# Altium PCB EBS V3.0.PcbDoc (part 1 of 4)
Units mil, origin at the board's own origin, x right, y up, seen from the top; angles counter-clockwise.
Board outline 4974.69 x 4688.74 mil, 4 copper layers (Top Layer, Internal Plane 1, Internal Plane 2, Bottom Layer), stack 18.2 mil thick; 422 components, 308 nets, 1315 pads, 232 vias.
Unrouted connection lines stored in the file: 1.
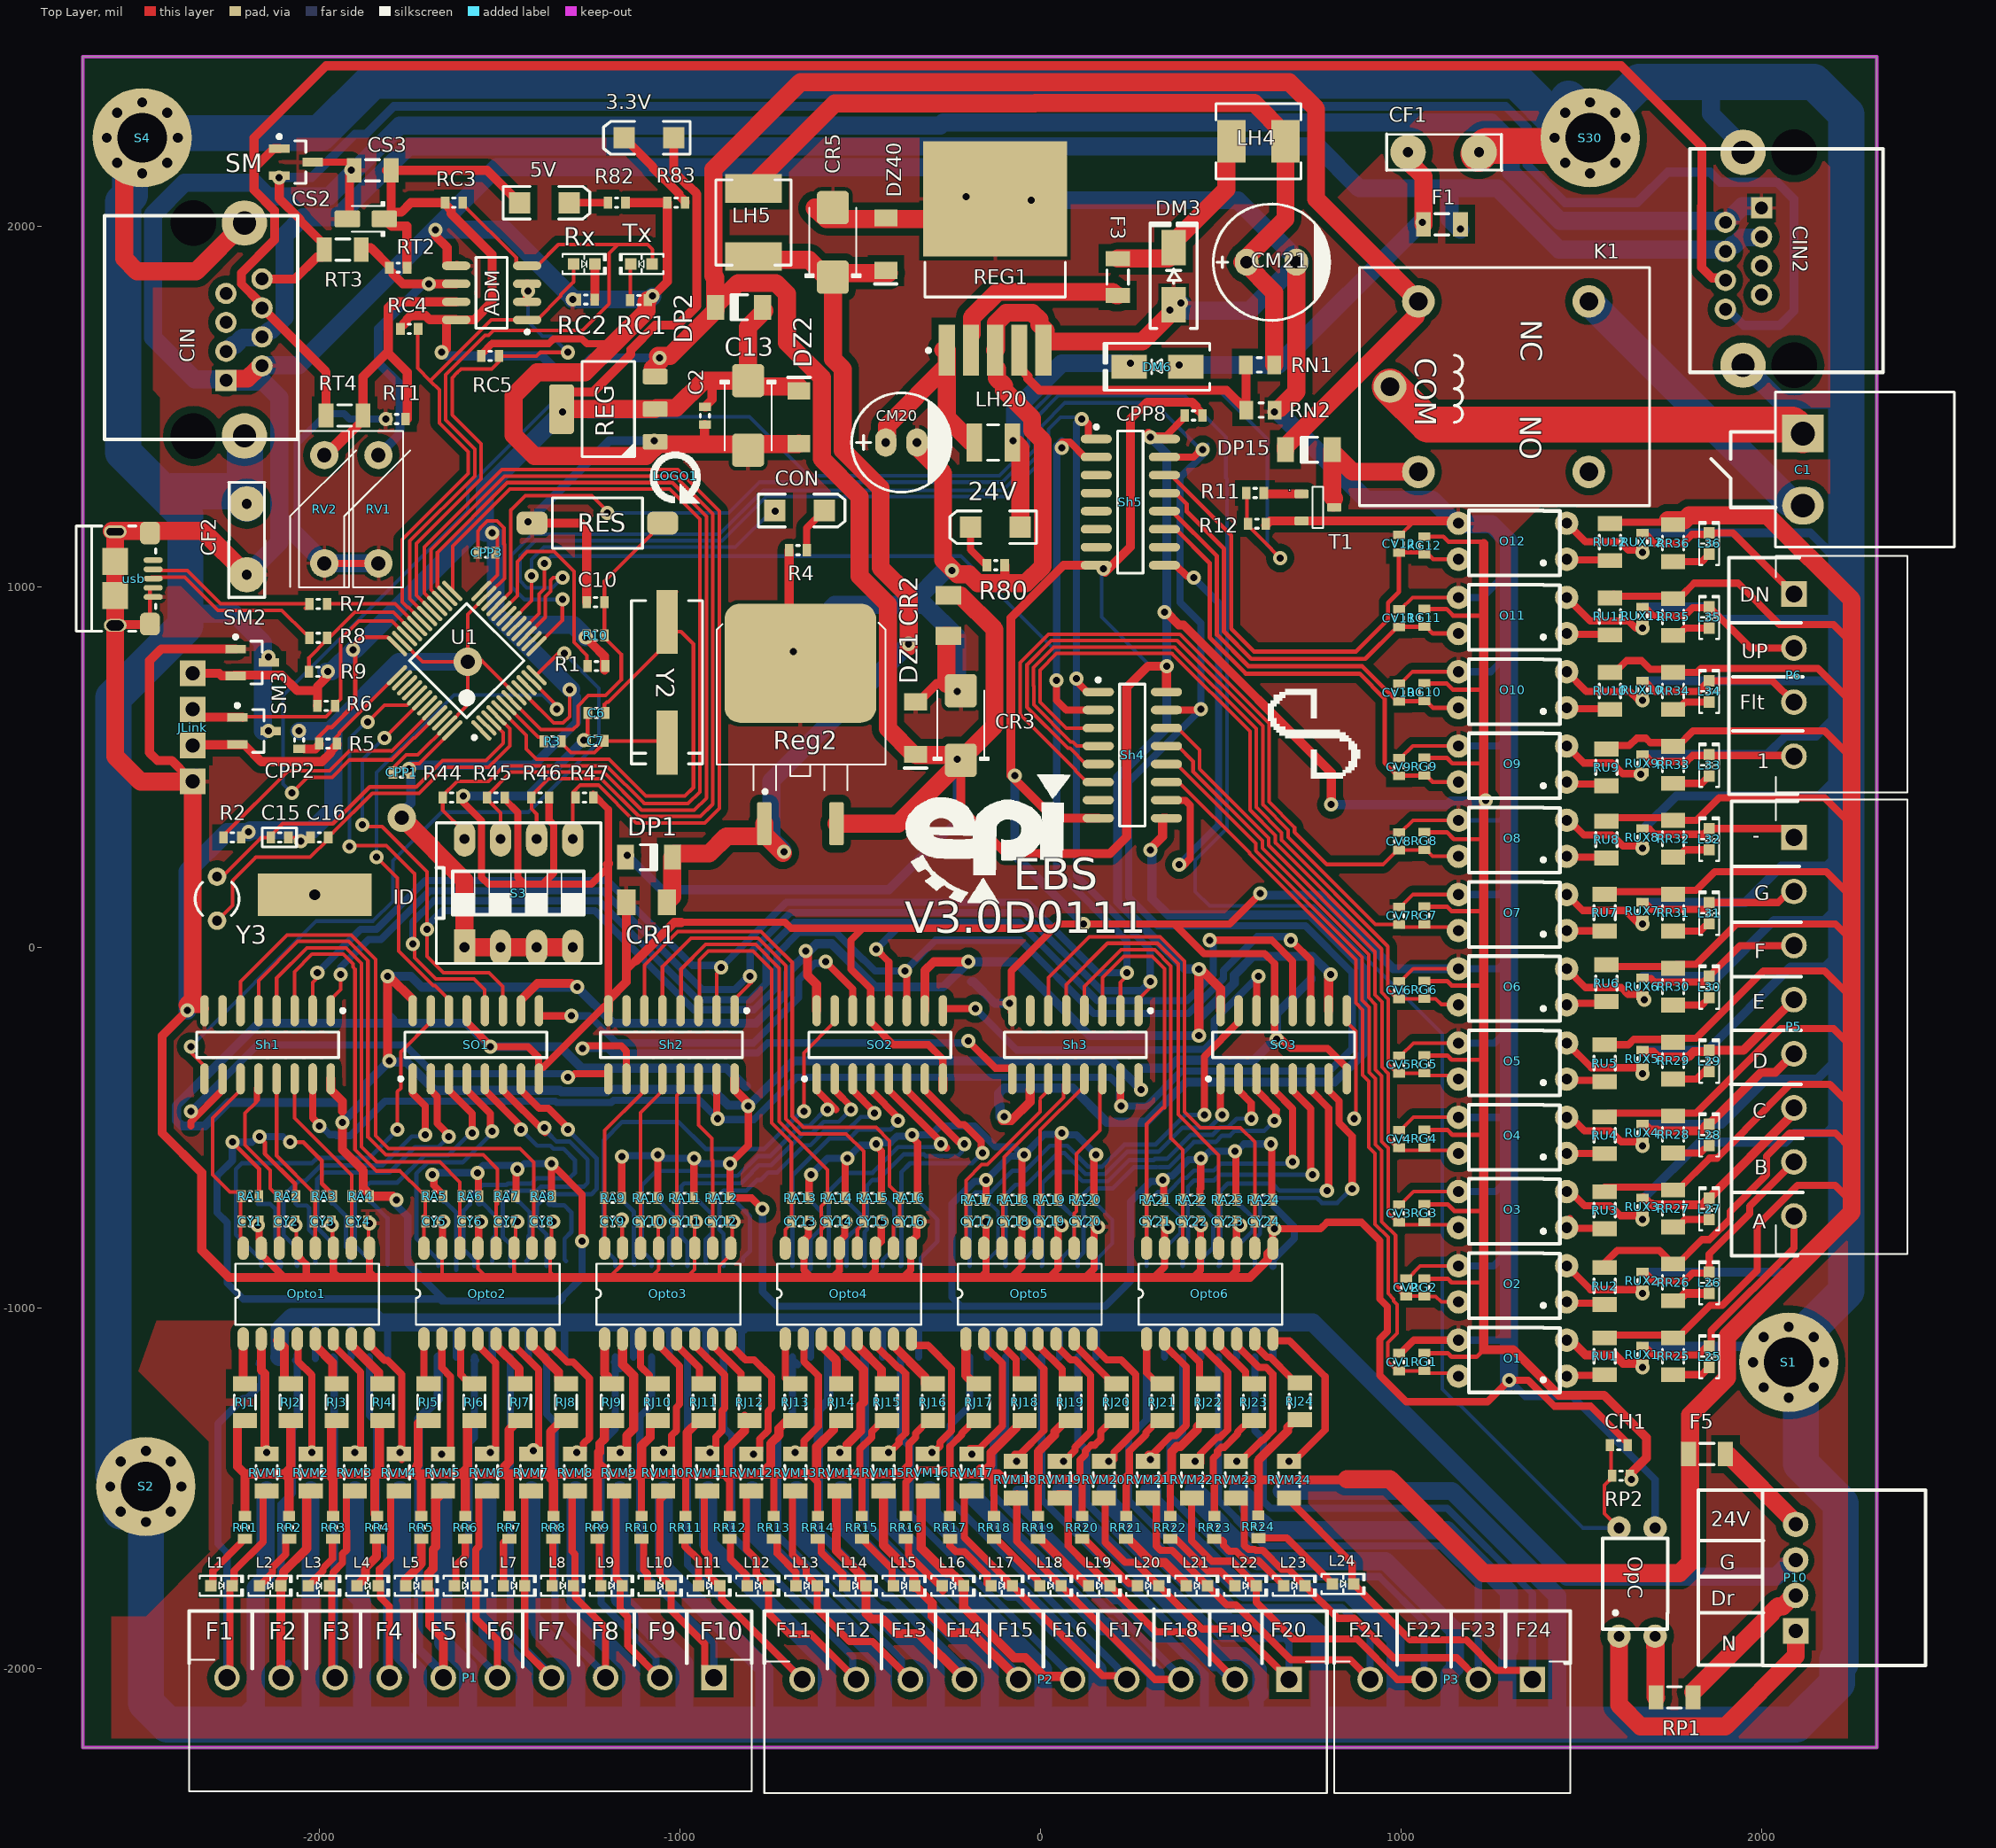
[diagram p0: Top Layer view]
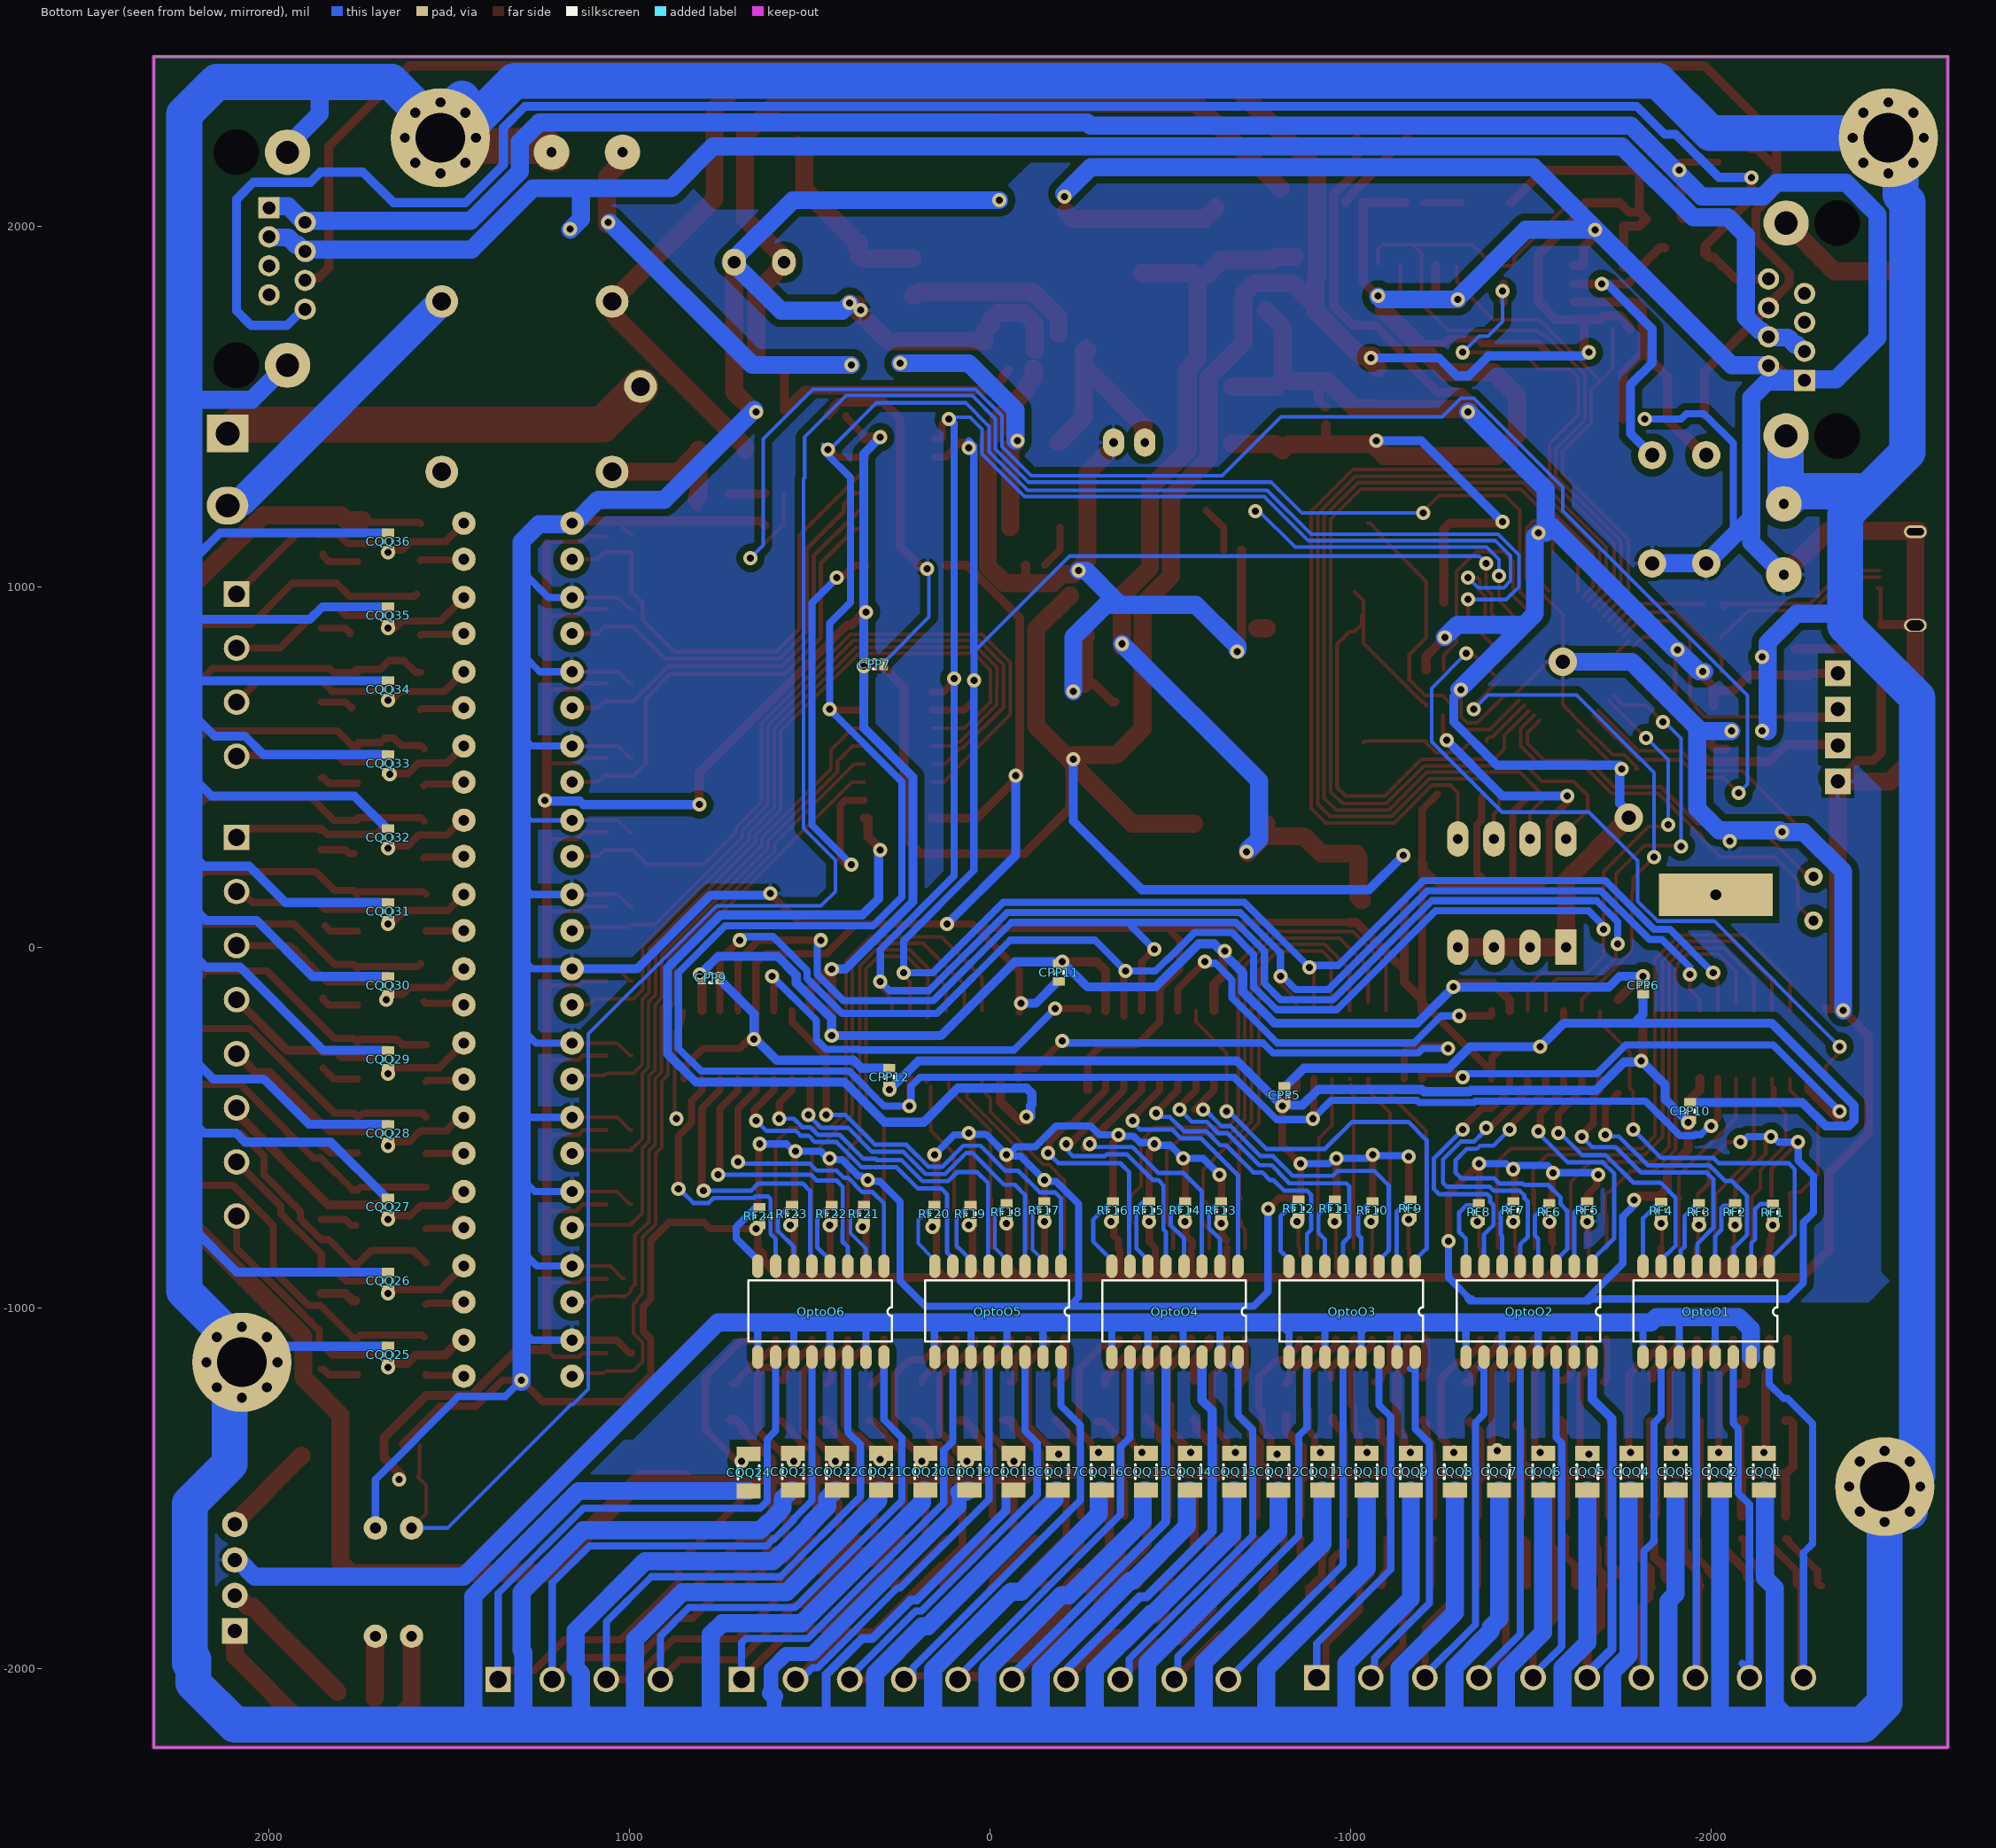
[diagram p1: Bottom Layer view, seen from below]
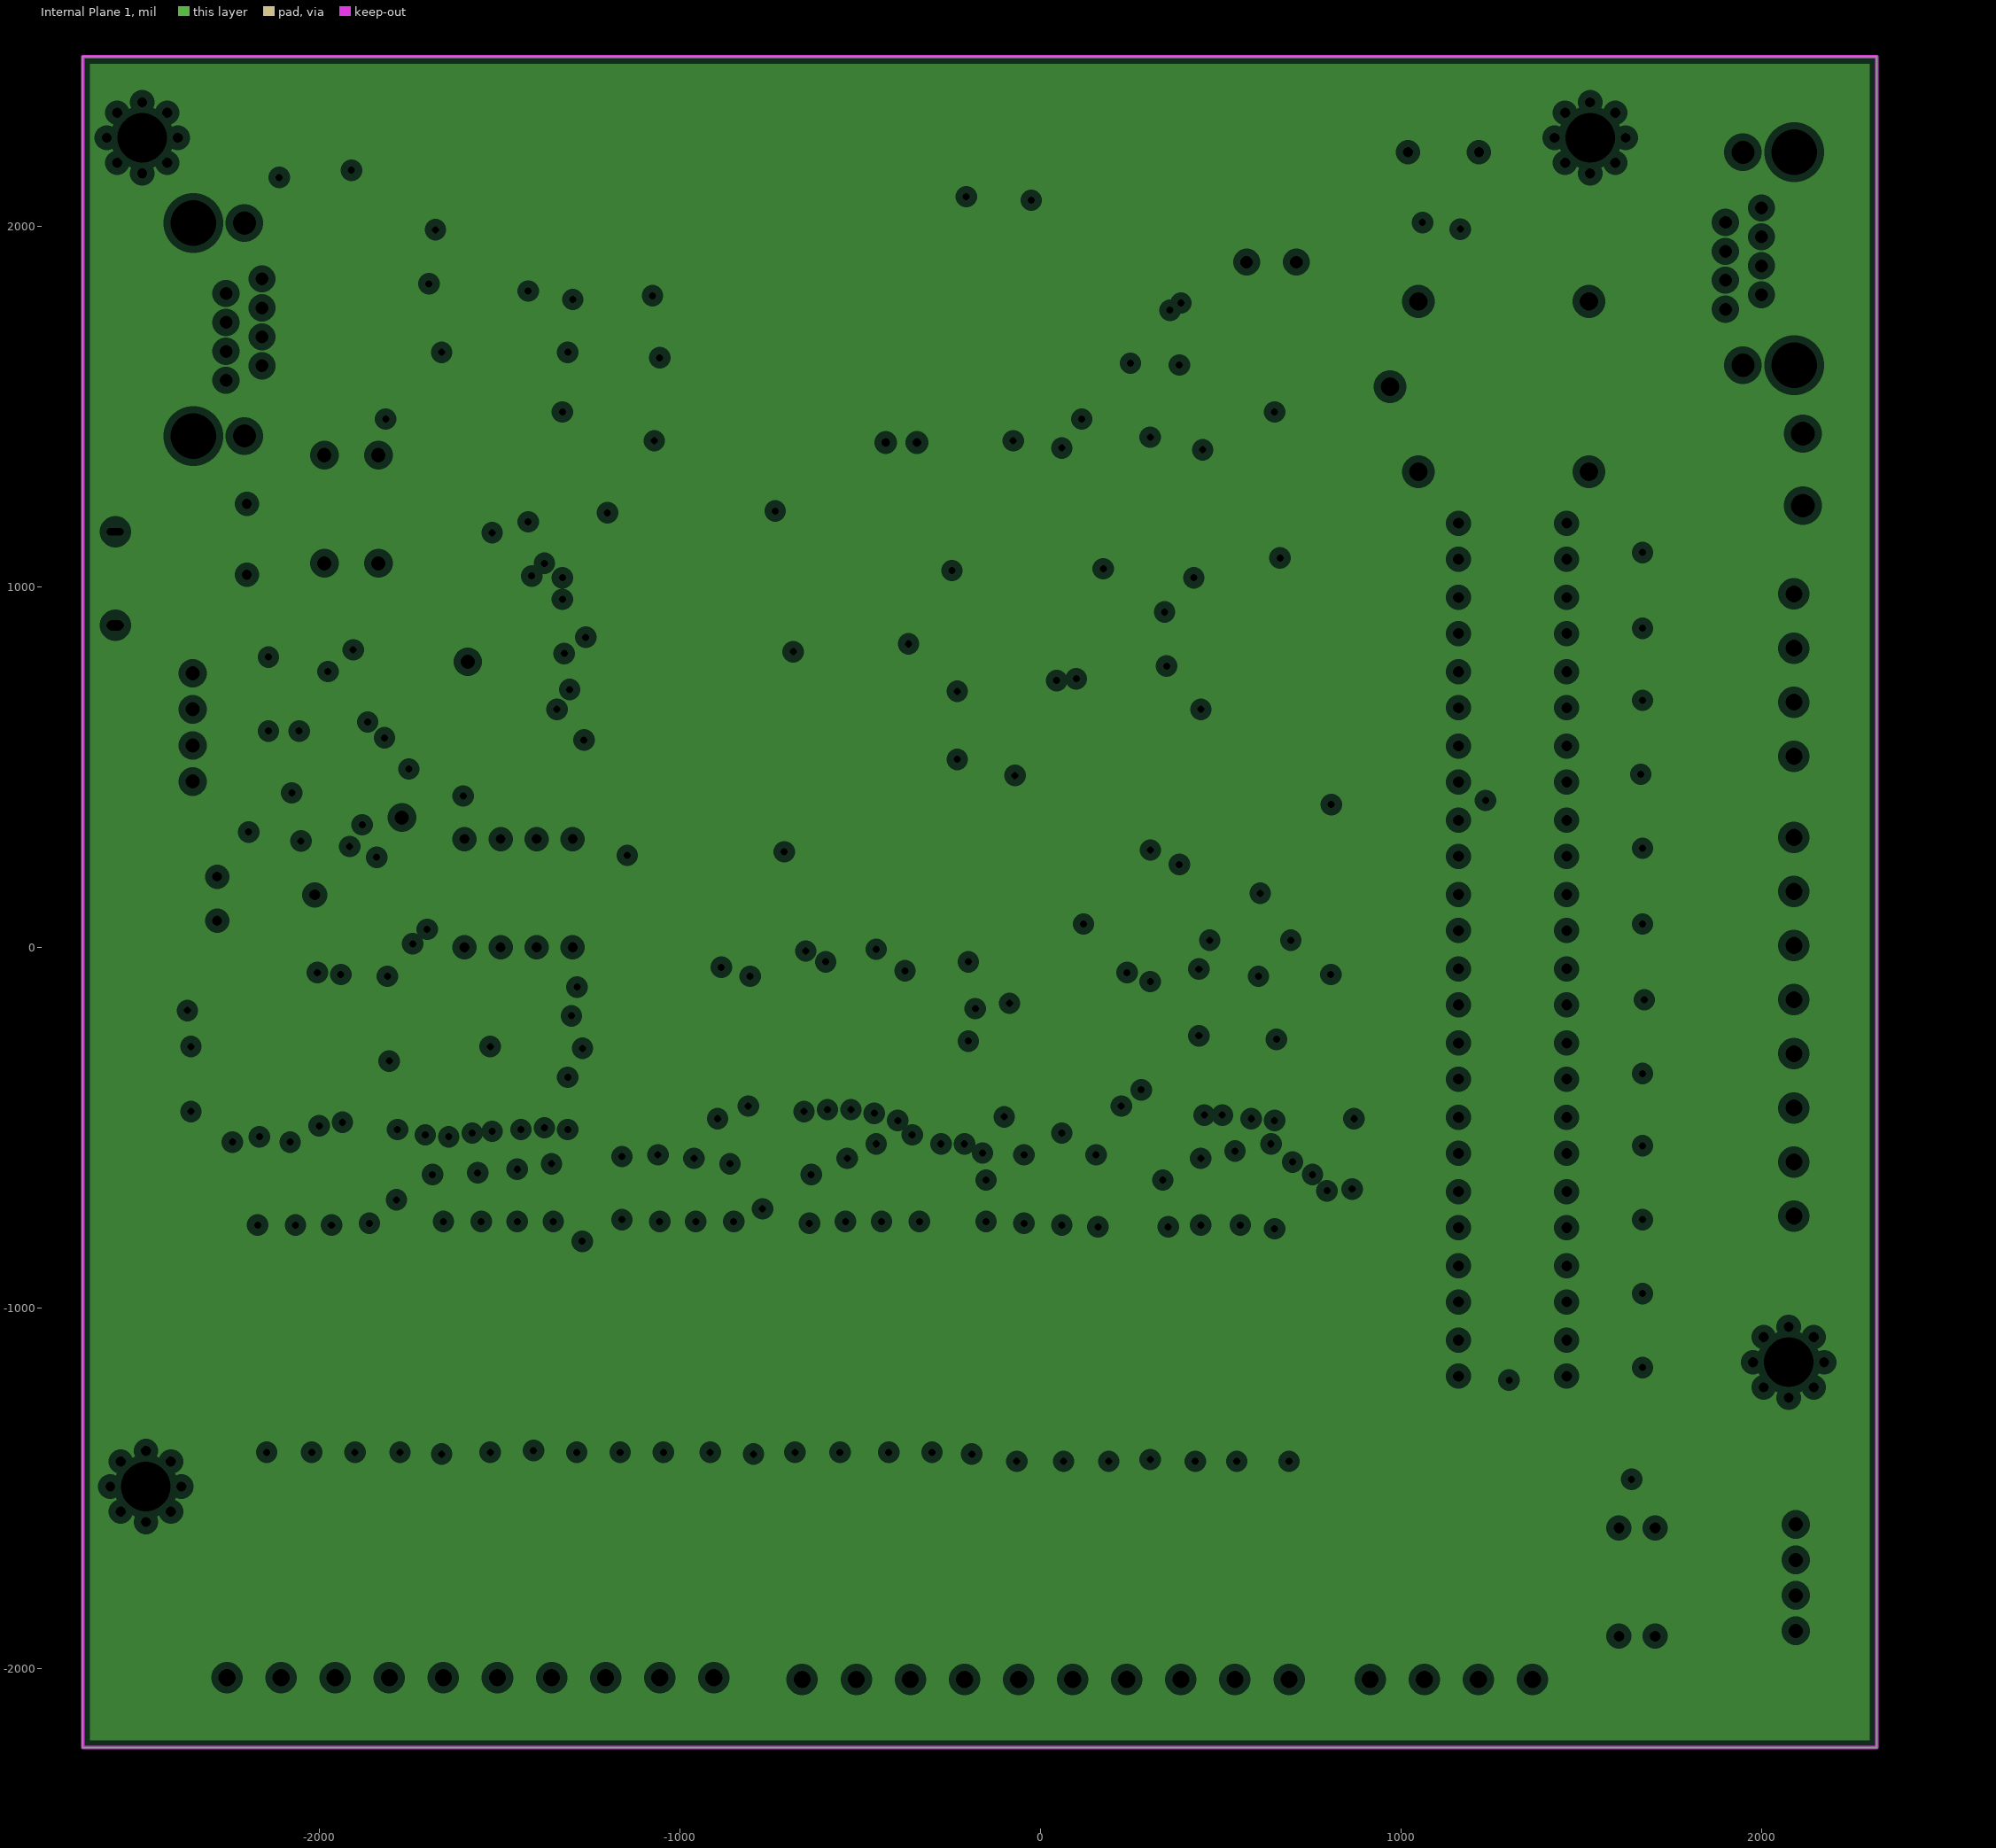
[diagram p2: Internal Plane 1, clearances drawn from the general rule]
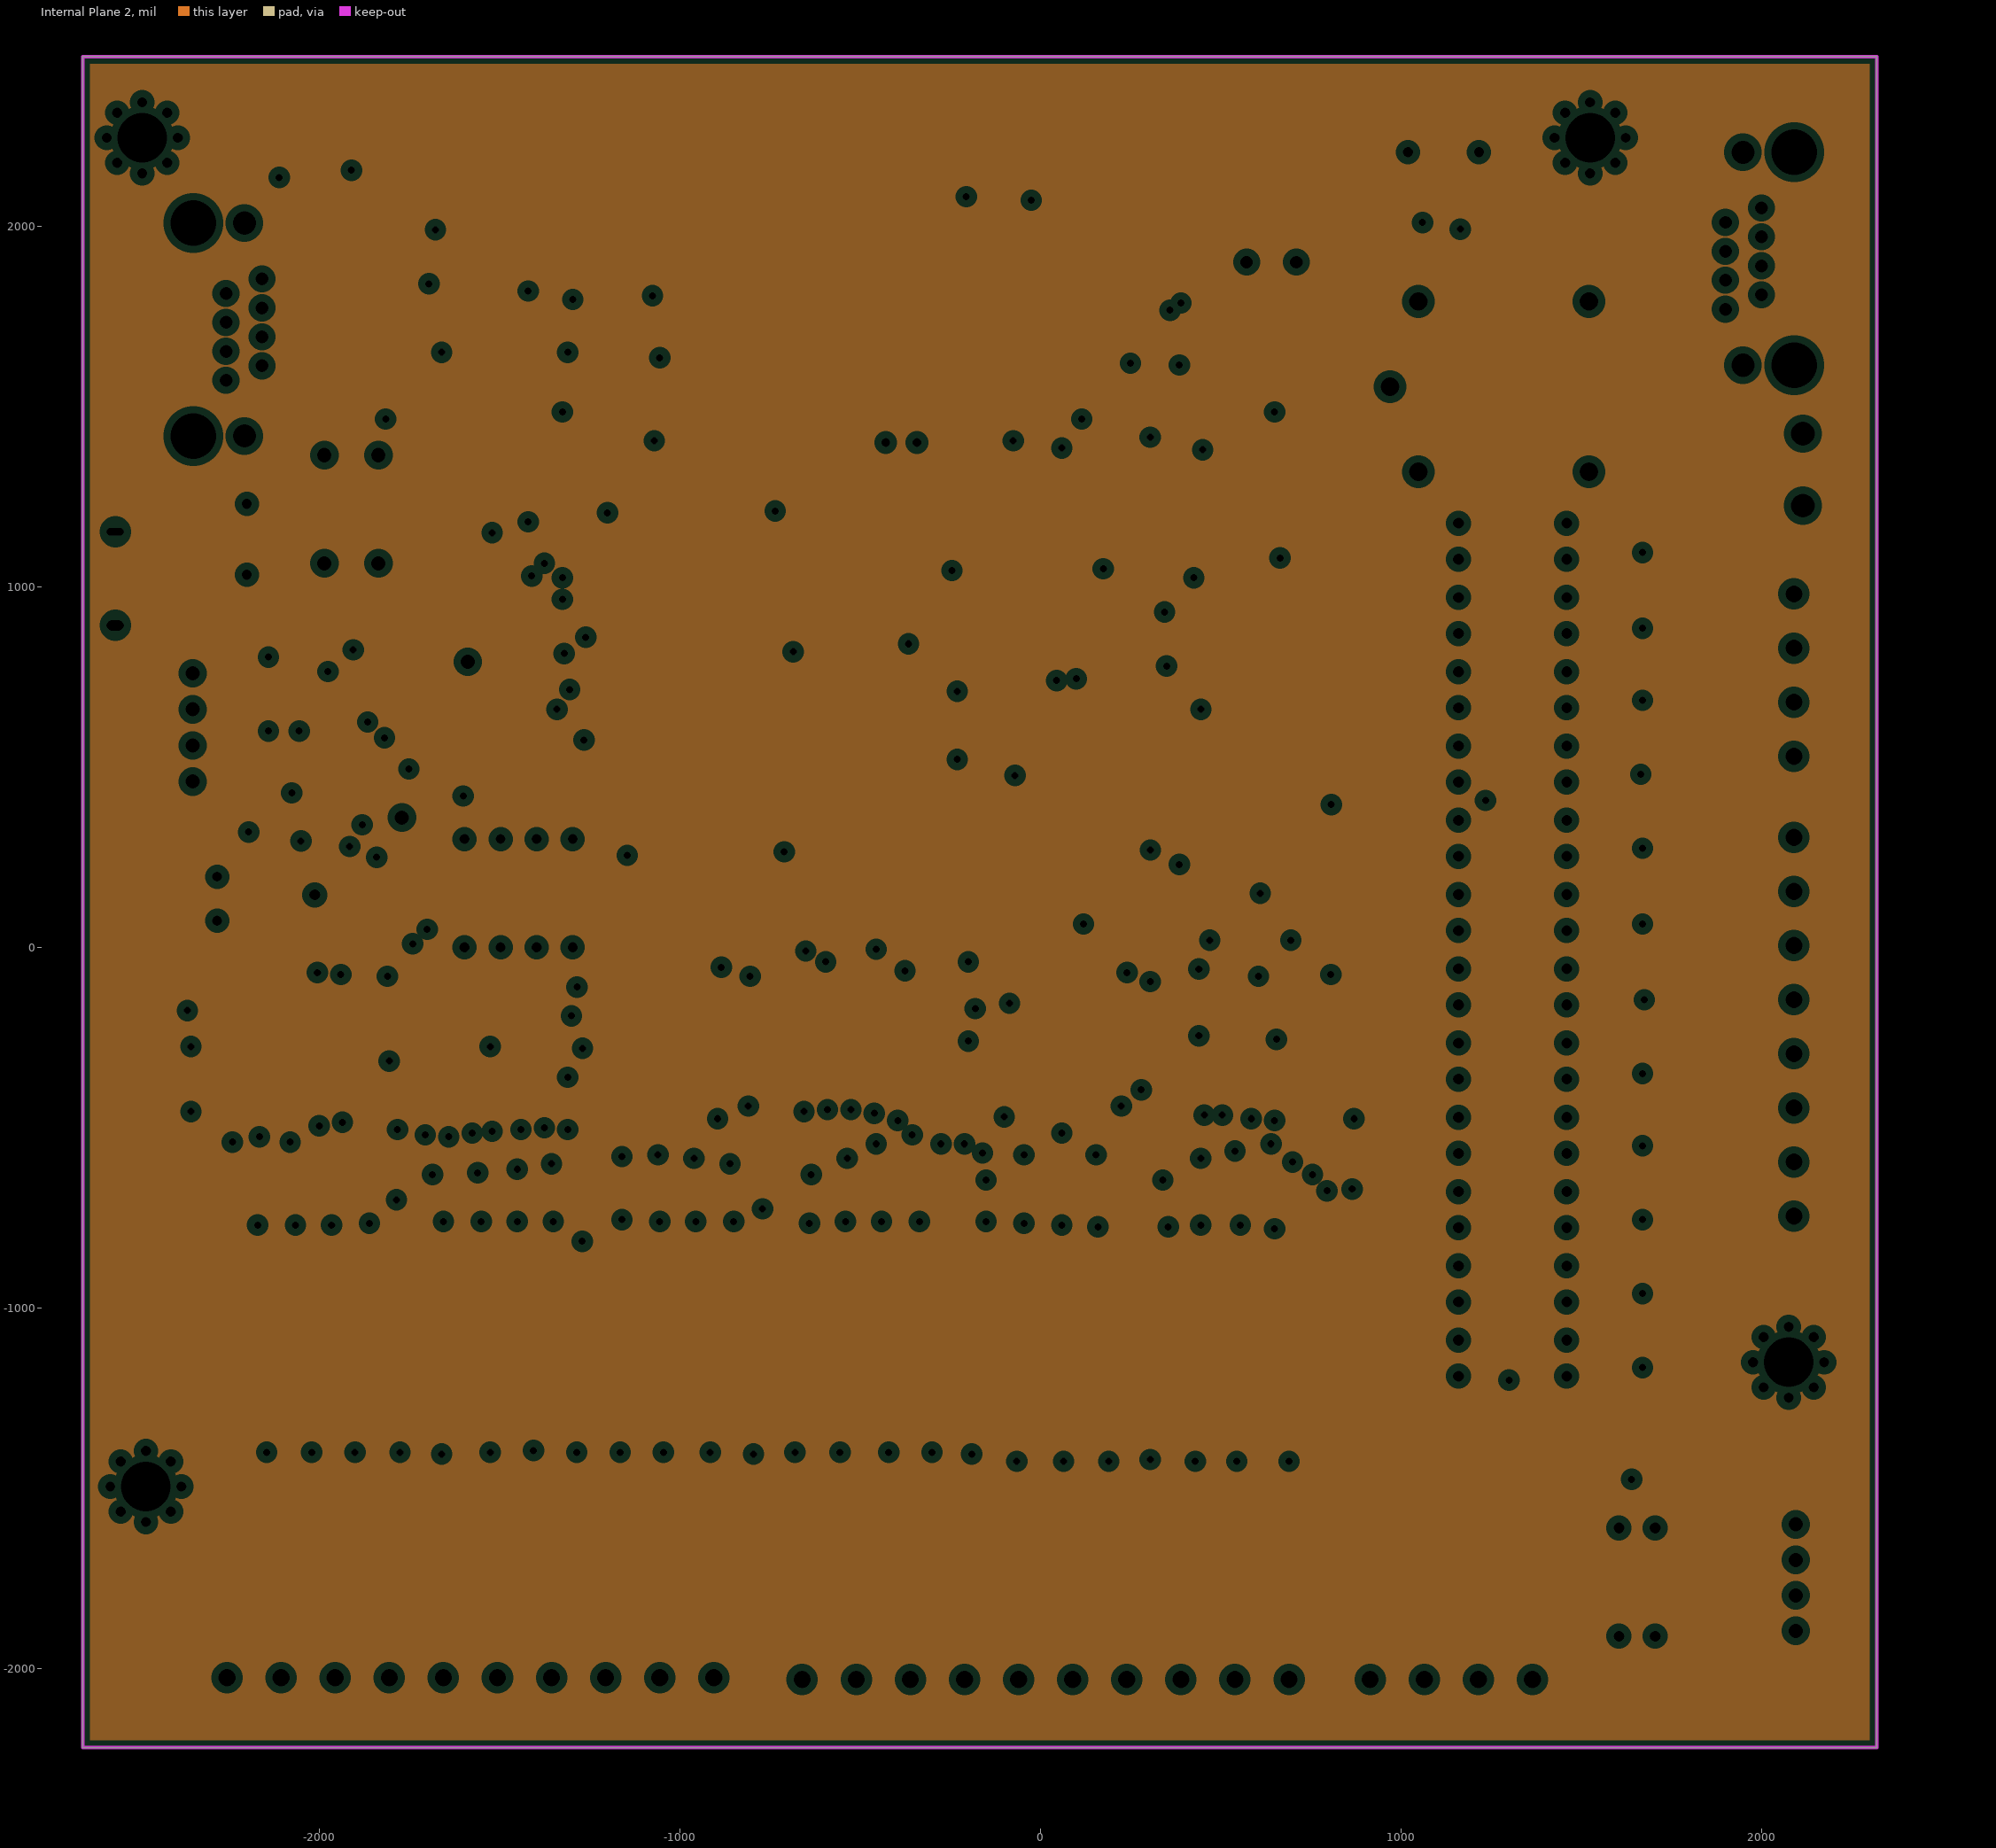
[diagram p3: Internal Plane 2, clearances drawn from the general rule]

## Layer stack, top to bottom
Top Solder: solder mask 0.4, Solder Resist, Dk 3.5
Top Layer: signal copper 1.4
Internal Plane 1: plane copper 1.4
Internal Plane 2: plane copper 1.4
Dielectric 1: dielectric 12.6, FR-4, Dk 4.8
Bottom Layer: signal copper 1.4
Bottom Solder: solder mask 0.4, Solder Resist, Dk 3.5

## Board outline
-2655,-2218.74 -2655,2470 2319.69,2470 2319.69,-2218.74

## Design rules (kind name [scope] priority, off if disabled: settings)
Clearance [All] p1: gap=7.87 ignorepadtopadclearanceinfootprint=FALSE except(0: Arc-Hole Track-Hole SMDPad-Hole THPad-Hole Via-Hole Fill-Hole Poly-Hole Region-Hole Text-Hole; 20: Arc-Poly Track-Poly SMDPad-Poly THPad-Poly Via-Poly Fill-Poly Poly-Poly)
HoleSize [All] p1: absolutevalues=TRUE maxlimit=200 minlimit=1 maxpercent=80.000 minpercent=20.000
MinimumSolderMaskSliver [All] p1 off: minsoldermaskwidth=10
PlaneClearance [All] p1: clearance=20
PlaneConnect [All] p1: planeconnectstyle=Relief reliefexpansion=20 reliefentries=4 reliefconductorwidth=10 reliefairgap=10
PolygonConnect [All] p1: connectstyle=Relief reliefconductorwidth=10 reliefentries=4 polygonreliefangle="90 Angle" airgapwidth=10
RoomDefinition "Power 8V" [InComponentClass('Power 8V')] p1: confinementstyle=ConfineOut formatcopy=TRUE lockcomponents=FALSE outline 3711.1,-660.72 6771.1,-660.72 6771.1,149.28 3711.1,149.28
RoomDefinition "Shift In" [InComponentClass('Shift In')] p2: confinementstyle=ConfineOut formatcopy=TRUE lockcomponents=FALSE outline -7440,-8043.74 -5440,-8043.74 -5440,-7043.74 -7440,-7043.74
RoomDefinition "Power 5V" [InComponentClass('Power 5V')] p3: confinementstyle=ConfineOut formatcopy=TRUE lockcomponents=FALSE outline 2820.55,3875 2285,3875 2285,3205 2820.55,3205
RoomDefinition "Power 3.3V" [InComponentClass('Power 3.3V')] p4: confinementstyle=ConfineOut formatcopy=TRUE lockcomponents=FALSE outline -3865,3460 -3865,2195 -2795,2195 -2795,3460
RoomDefinition "Shift Out" [InComponentClass('Shift Out')] p5: confinementstyle=ConfineOut formatcopy=TRUE lockcomponents=FALSE outline -4555,-1005 -3380,-1005 -3380,-40 -4555,-40
RoomDefinition "Mosfet Input" [InComponentClass('Mosfet Input')] p6: confinementstyle=ConfineOut formatcopy=TRUE lockcomponents=FALSE outline 7560,-470 10300,-470 10300,845 7560,845
RoomDefinition MCU [InComponentClass('MCU')] p7: confinementstyle=ConfineOut formatcopy=TRUE lockcomponents=FALSE outline -2485,3755 -2485,4165 -4670.5,4165 -4670.5,3755
RoomDefinition "Input Connector" [InComponentClass('Input Connector')] p8: confinementstyle=ConfineOut formatcopy=TRUE lockcomponents=FALSE outline 3400,2450 4565,2450 4565,3570 3400,3570
RoomDefinition Config [InComponentClass('Config')] p9: confinementstyle=ConfineOut formatcopy=TRUE lockcomponents=FALSE outline -2305,2885 -410,2885 -410,4500 -2305,4500
RoomDefinition "Communication Elevator" [InComponentClass('Communication Elevator')] p10: confinementstyle=ConfineOut formatcopy=TRUE lockcomponents=FALSE outline -3755,1195 -2865,1195 -2865,1965 -3755,1965
RoomDefinition Actuator [InComponentClass('Actuator')] p11: confinementstyle=ConfineOut formatcopy=TRUE lockcomponents=FALSE outline -3285,-1690 -5200,-1690 -5200,-2205 -3285,-2205
RoutingVias [All] p1: holewidth=23.62 width=39.37 viastyle="Through Hole" minholewidth=19.68 minwidth=30 maxholewidth=43.31 maxwidth=82.68
SilkToBoardRegionClearance [All] p1 off:
SilkToSolderMaskClearance [IsPad] p1 off: minsilkscreentomaskgap=1 clearancetoexposedcopper=TRUE
SolderMaskExpansion [All] p1: expansion=4
Width [All] p1: maxlimit=100 minlimit=10 preferedwidth=10 minimp=50.000000 maximp=50.000000 favimp=50.000000
24 further rules are at their usual default settings.

## Classes and differential pairs
component class "Power 8V": CM20 CM21 CR5 DM3 DZ40 F3 LH4 LH5 LH20 REG1 RN1 RN2
component class "Power 3.3V": 3.3V C2 C13 DP2 DZ2 R83 REG
component class "Shift Out": CPP10 CPP11 CPP12 SO1 SO2 SO3
component class Actuator: OptoO1 OptoO2 OptoO3 OptoO4 OptoO5 OptoO6 RF1 RF2 RF3 RF4 RF5 RF6 RF7 RF8 RF9 RF10 RF11 RF12 RF13 RF14 RF15 RF16 RF17 RF18 RF19 RF20 RF21 RF22 RF23 RF24
component class "Mosfet Input": CQQ1 CQQ2 CQQ3 CQQ4 CQQ5 CQQ6 CQQ7 CQQ8 CQQ9 CQQ10 CQQ11 CQQ12 CQQ13 CQQ14 CQQ15 CQQ16 CQQ17 CQQ18 CQQ19 CQQ20 CQQ21 CQQ22 CQQ23 CQQ24 CQQ25 CQQ26 CQQ27 CQQ28 CQQ29 CQQ30 CQQ31 CQQ32 CQQ33 CQQ34 CQQ35 CQQ36 CV1 CV2 CV3 CV4 CV5 CV6 CV7 CV8 CV9 CV10 CV11 CV12 CY1 CY2 CY3 CY4 CY5 CY6 CY7 CY8 CY9 CY10 CY11 CY12 CY13 CY14 CY15 CY16 CY17 CY18 CY19 CY20 CY21 CY22 CY23 CY24 L1 L2 L3 L4 L5 L6 L7 L8 L9 L10 L11 L12 L13 L14 L15 L16 L17 L18 L19 L20 L21 L22 L23 L24 L25 L26 L27 L28 L29 L30 L31 L32 L33 L34 L35 L36 O1 O2 O3 O4 O5 O6 O7 O8 O9 O10 O11 O12 Opto1 Opto2 Opto3 Opto4 Opto5 Opto6 RA1 RA2 RA3 RA4 RA5 RA6 RA7 RA8 RA9 RA10 RA11 RA12 RA13 RA14 RA15 RA16 RA17 RA18 RA19 RA20 RA21 RA22 RA23 RA24 RG1 RG2 RG3 RG4 RG5 RG6 RG7 RG8 RG9 RG10 RG11 RG12 RJ1 RJ2 RJ3 RJ4 RJ5 RJ6 RJ7 RJ8 RJ9 RJ10 RJ11 RJ12 RJ13 RJ14 RJ15 RJ16 RJ17 RJ18 RJ19 RJ20 RJ21 RJ22 RJ23 RJ24 RR1 RR2 RR3 RR4 RR5 RR6 RR7 RR8 RR9 RR10 RR11 RR12 RR13 RR14 RR15 RR16 RR17 RR18 RR19 RR20 RR21 RR22 RR23 RR24 RR25 RR26 RR27 RR28 RR29 RR30 RR31 RR32 RR33 RR34 RR35 RR36 RU1 RU2 RU3 RU4 RU5 RU6 RU7 RU8 RU9 RU10 RU11 RU12 RUX1 RUX2 RUX3 RUX4 RUX5 RUX6 RUX7 RUX8 RUX9 RUX10 RUX11 RUX12 RVM1 RVM2 RVM3 RVM4 RVM5 RVM6 RVM7 RVM8 RVM9 RVM10 RVM11 RVM12 RVM13 RVM14 RVM15 RVM16 RVM17 RVM18 RVM19 RVM20 RVM21 RVM22 RVM23 RVM24
component class MCU: C1 C6 C7 C10 C15 C16 CON CPP1 CPP2 CPP3 DP15 JLink K1 LOGO1 R1 R2 R3 R4 R5 R6 R7 R8 R9 R10 R11 R12 RES SM2 SM3 T1 U1 usb Y2 Y3
component class "Input Connector": 24V CF1 CF2 CH1 CIN CIN2 DM6 F1 F5 OpC P1 P2 P3 P5 P6 P10 R80 RP1 RP2 S1 S2 S4 S30
component class "Shift In": CPP5 CPP6 CPP7 CPP8 CPP9 Sh1 Sh2 Sh3 Sh4 Sh5
component class "Communication Elevator": ADM CS2 CS3 RC1 RC2 RC3 RC4 RC5 RT1 RT2 RT3 RT4 RV1 RV2 Rx SM Tx
component class Config: R44 R45 R46 R47 S3
component class "Power 5V": 5V CR1 CR2 CR3 DP1 DZ1 R82 Reg2

## Components (designator, comment, footprint, x,y, rotation, side; value= is the part's Value field where it differs from the comment)
3.3V "GREEN" "LED SMD 1206" -1085,2245 r180 top
5V "RED" "LED SMD 1206" -1375,2065 r0 top
24V "RED" "LED SMD 1206" -124.19,1165 r180 top